# Altium PCB shepherd_pcb_v2.2.PcbDoc (part 3 of 3)
Units mm, origin at the board's own origin, x right, y up, seen from the top; angles counter-clockwise.
Board outline 75.18 x 54.61 mm, 4 copper layers (L1, L2P, L3, L4), stack 1.59 mm thick; 336 components, 223 nets, 1078 pads, 453 vias.
Unrouted connection lines stored in the file: 2.
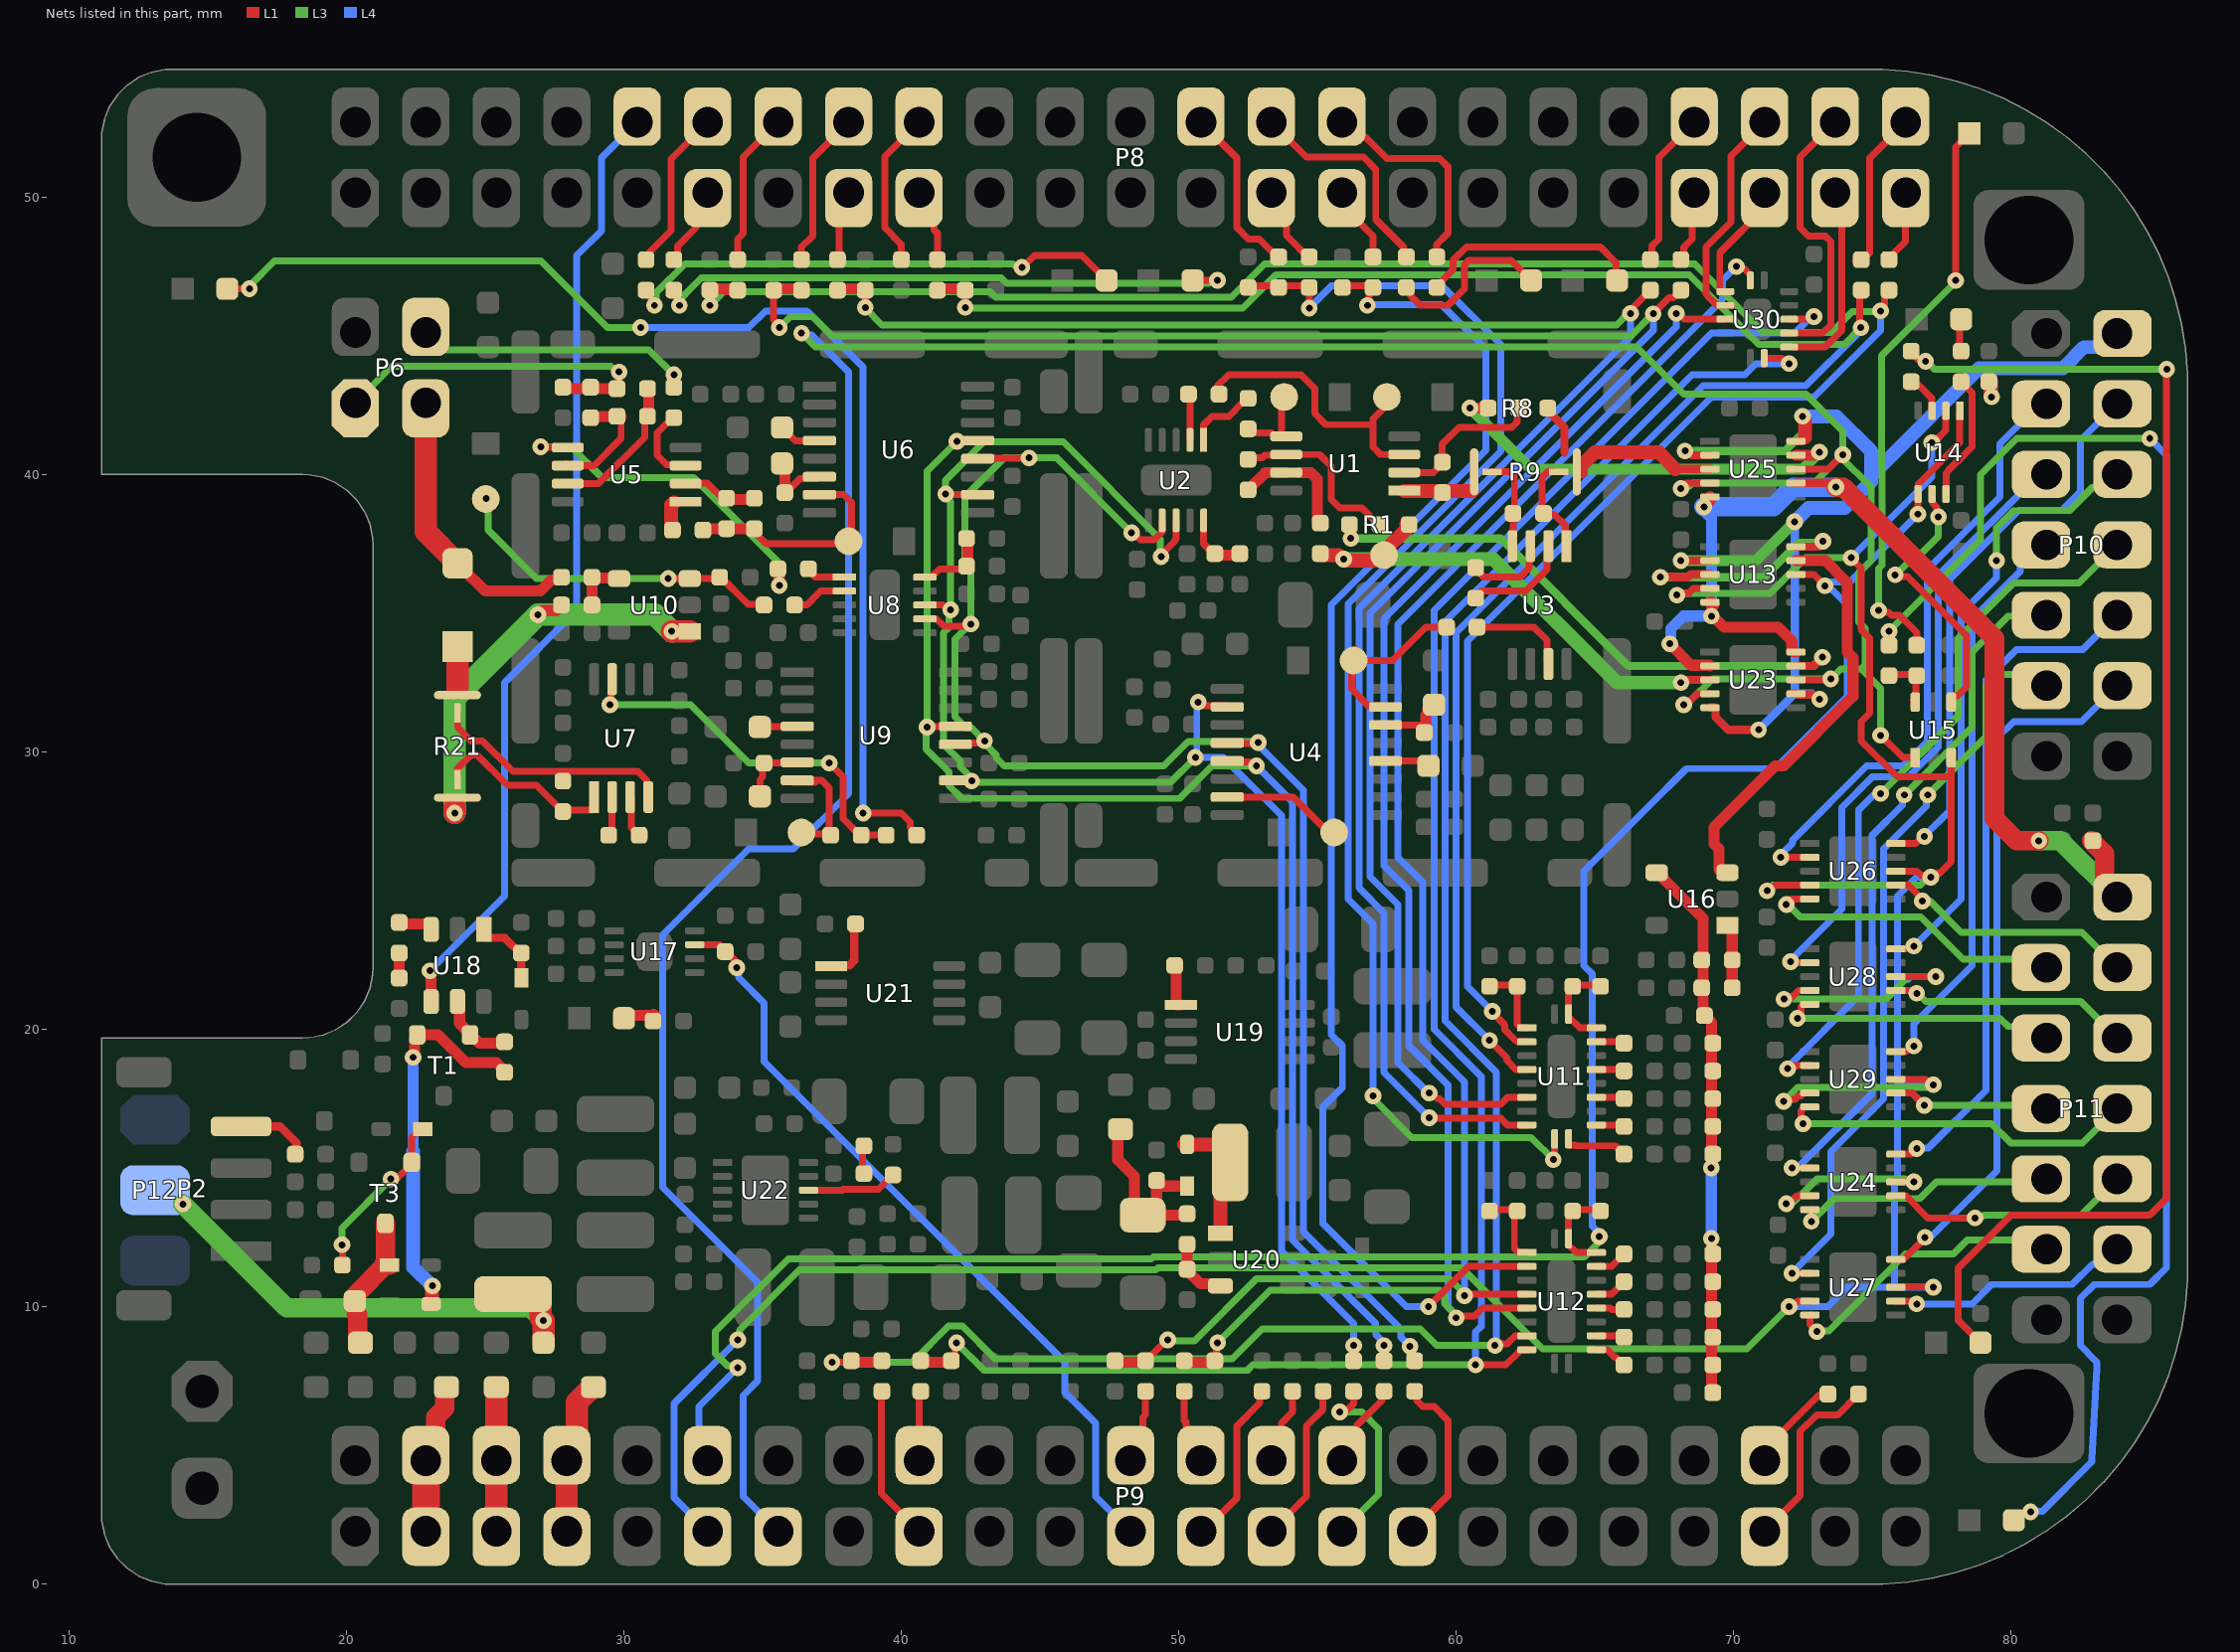
[diagram p5: the nets of this part, all layers, seen from the top]

## Via types
v1: diameter 0.6, hole 0.25, L1 to L4, 447 vias
v2: diameter 1.2, hole 0.5, L1 to L4, 4 vias
v3: diameter 1.1, hole 0.7, L1 to L4, 2 vias

## Nets (pads, with @x,y where several pads share a name; then routed paths per layer and width w, separated by ;. In a path a pad name is that pad's centre, name@x,y a point inside that pad or via, vN(x,y) a via of type N, cw(c..) or ccw(c..) an arc to the next point about the centre after c; other vN are vias at no path point) (continued)
MEM_WP: P9.23 R89.1 U17.7 | length 28.2
  L1 w0.25: U17.7@32.55,23.05 33.45,23.05 33.998,22.502 33.998,22.292 v1(34.065,22.225)
  L4 w0.25: v1(34.065,22.225) 34.132,22.159 34.132,21.868 35.058,20.942 35.058,18.842 45.9,8 45.9,6.9 47,5.8 47,3.165 P9.23@48.26,1.905
MISO: R74.1 U4.13 U6.13 U9.13 | length 51.4
  L1 w0.25: v1(40.925,30.9) 40.938,30.912 41.937,30.912 U9.13@41.95,30.925 ; v1(42,41.2) 42.012,41.212 42.737,41.212 U6.13@42.75,41.225 ; U4.13@51.75,29.675 51.786,29.639 52.566,29.639 52.705,29.5 v1(52.8,29.5) ; R74.1@57.4,7.9 v1(57.4,8.6)
  L3 w0.25: v1(42,41.2) 40.925,40.125 v1(40.925,30.9) 40.9,30.875 40.9,30.1 41.711,29.289 41.711,28.789 42.175,28.325 42.998,28.325 50.025,28.325 51.2,29.5 v1(52.8,29.5)
  L4 w0.25: v1(52.8,29.5) 54.1,28.2 54.1,12.4 57.1,9.4 57.1,8.995 57.4,8.695 v1(57.4,8.6)
MOSI: R75.2 U2.8 U4.10 U6.10 U8.8 U9.10 | length 62.6
  L1 w0.25: U8.8@40.85,35.3 41.507,35.3 41.683,35.123 v1(41.778,35.123) ; v1(41.6,39.3) 41.625,39.275 U6.10@42.75,39.275 ; U9.10@41.95,28.975 42.517,28.975 v1(42.536,28.957) ; v1(49.362,37.038) 49.362,37.113 49.869,37.62 49.869,37.662 49.9,37.693 U2.8@49.9,38.35 ; v1(50.7,31.8) 50.795,31.8 50.92,31.675 51.7,31.675 U4.10@51.75,31.625 ; R75.2@56.3,7.9 v1(56.3,8.6)
  L3 w0.25: v1@41.775,35.114 41.775,39.03 41.6,39.205 41.6,39.8 42.975,41.175 45.838,41.175 49.338,37.675 49.338,37.062 v1(49.362,37.038) ; v1(41.778,35.123) 41.711,35.056 41.711,34.488 41.525,34.302 41.525,30.275 42.124,29.676 42.124,29.463 42.536,29.051 v1(42.536,28.957) 42.592,28.9 49.7,28.9 v1(50.6,29.8)
  L4 w0.25: v1(50.7,31.8) 50.65,31.75 50.65,29.85 v1(50.6,29.8) 51.6,29.8 53.7,27.7 53.7,12 56.3,9.4 v1(56.3,8.6)
MP_FB_2: R104.1 R105.2 U20.3 | length 2.4
  L1 w0.25: U20.3@51.429,10.821 U20.3@51.5,10.75
  L1 w0.4: R104.1@50.3,12.3 50.3,11.3 50.779,10.821 U20.3@51.429,10.821
MP_SW_2: D11.2 L5.2 U20.1 | length 4.7
  L1 w0.25: L5.2@51.34,15.85 51.85,15.34 L5.2@51.85,15.2
  L1 w0.5: D11.2@50.2,15.85 L5.2@51.34,15.85 ; U20.1@51.5,12.65 51.5,13.6 51.5,14.85 L5.2@51.85,15.2
NetC3_1: C3.1 R9.1 U1.1 | length 3.3
  L1 w0.25: U1.1@58.125,39.425 U1.1@58.138,39.413 ; C3.1@59.488,39.413 C3.1@59.5,39.4 ; R9.1@60.6,40.023 60.65,40.023 R9.1@60.65,40.1
  L1 w0.3: R9.1@60.65,40.1 R9.1@60.65,40.8
  L1 w0.4: R9.1@60.577,39.4 R9.1@60.6,39.423
  L1 w0.5: U1.1@58.138,39.413 C3.1@59.488,39.413 ; C3.1@59.5,39.4 R9.1@60.577,39.4
NetC28_1: C28.1 R14.1 U5.2 | length 2.6
  L1 w0.25: U5.2@32.225,39.675 32.25,39.7 33,39.7 C28.1@33.6,39.1
  L1 w0.4: C28.1@33.6,39.1 R14.1@34.6,39.1
NetC29_1: C29.1 R19.1 U5.7 | length 5.3
  L1 w0.25: U5.7@27.975,39.675 29.075,39.675 30.75,41.35 30.75,41.975 30.875,42.1 C29.1@30.9,42.1
  L1 w0.4: C29.1@30.9,42.1 R19.1@30.9,43.1
NetC29_2: C29.2 R15.1 U5.6 | length 4.2
  L1 w0.25: U5.6@27.908,40.392 U5.6@27.975,40.325 28.925,40.325 29.9,41.3 C29.2@29.9,42.1
  L1 w0.4: R15.1@28.9,42.1 C29.2@29.9,42.1
NetC34_1: C34.1 R21.2 U10.1 | length 15.3
  L1 w0.4: v1(26.901,34.95) 26.955,34.95 27.105,35.1 27.55,35.1 C34.1@27.75,35.3
  L1 w0.8: v1(23.9,27.8) v1@23.9,28 ; v1(31.725,34.35) U10.1@32.375,34.35
  L3 w0.8: v1(23.9,27.8) 23.9,31.949 v1(26.901,34.95) 31.125,34.95 v1(31.725,34.35)
NetC34_2: C34.2 R20.1 U10.4 | length 2
  L1 w0.4: C34.2@28.85,35.3 R20.1@28.85,36.3 28.875,36.275 29.8,36.275 U10.4@29.825,36.25
NetC36_2: C36.2 R27.2 TP8.1 U10.3 | length 12.2
  L1 w0.25: v1(31.599,36.257) 31.606,36.25 U10.3@32.375,36.25 33.25,36.25 C36.2@33.4,36.4 ; C36.2@33.5,36.3 34.471,35.329 35.071,35.329 R27.2@35.1,35.3
  L3 w0.25: v1@25.121,39.121 25.1,39.1 25.1,38 26.843,36.257 v1(31.599,36.257)
  other v1: 25.042,39.142
NetC37_2: C37.2 C38.2 U8.10 | length 2.4
  L1 w0.25: U8.10@41.125,36.3 41.125,36.354 41.371,36.6 C37.2@42.4,36.6
  L1 w0.4: C37.2@42.4,36.6 C38.2@42.4,37.6
NetC62_2: C62.2 R31.1 U11.19 U11.20 | length 3.5
  L1 w0.25: U11.19@65,20.05 U11.19@65.075,20.05 ; U11.19@65.05,20.05 64.45,20.05 64.05,20.45 U11.20@64.05,20.55 64.05,21.45 64.2,21.6 C62.2@65.2,21.6
NetC65_2: C65.2 R54.1 U12.19 U12.20 | length 3.4
  L1 w0.25: U12.19@65,11.95 64.325,11.95 64.05,12.225 U12.20@64.05,12.45 64.05,13.35 64.2,13.5 C65.2@65.2,13.5
NetC73_1: C73.1 R58.1 U16.1 | length 2.3
  L1 w0.4: U16.1@69.85,23.75 69.95,23.65 R58.1@69.95,21.5
NetC76_2: C76.2 L3.1 P12.2 | length 17.4
  L1 w0.8: L3.1@26,10.45 26.75,10.45 27,10.2 27,9.6 v1(27.1,9.5) C76.2@27.1,8.7
  L3 w0.7: v1(14.1,13.7) 17.85,9.95 26.65,9.95 v1(27.1,9.5)
NetC79_2: C79.2 D9.1 U18.1 | length 2.7
  L1 w0.3: U18.1@24.95,23.6 24.95,23.425 25.075,23.3 25.7,23.3 26.3,22.7 D9.1@26.3,21.85 D9.1@26.275,21.875
NetC81_2: C81.2 C82.2 D11.1 L6.1 R104.2 | length 7.7
  L1 w0.4: L6.1@47.8,16.3 47.8,15.3 48.4,14.7 48.4,13.6 C82.2@48.7,13.3 C82.2@48.784,13.3 ; R104.2@50.3,13.3 C82.2@48.784,13.3 ; D11.1@50.35,14.3 D11.1@50.3,14.35 49.45,14.35 49.2,14.6 49.2,13.716 C82.2@48.784,13.3
NetC93_2: C93.2 U19.1 | length 1.6
  L1 w0.4: C93.2@49.9,22.3 49.9,20.9 49.925,20.875 U19.1@50.075,20.875
NetC96_2: C96.2 U21.1 | length 2.2
  L1 w0.3: U21.1@37.475,22.275 37.5,22.3 38.124,22.3 38.3,22.476 C96.2@38.3,23.8
NetC100_1: C100.1 D15.1 L14.2 T3.3 | length 5
  L1 w0.7: L14.2@20.5,8.7 20.45,8.7 20.4,8.75 20.4,9.7 20.35,9.75 20.35,10.15 C100.1@20.3,10.2 20.35,10.25 20.35,10.45 21.4,11.5 D15.1@21.55,11.5 ; D15.1@21.375,11.575 21.4,11.6 T3.3@21.4,13
NetD1_1: D1.1 R21.1 | length 1.5
  L1 w0.8: 24,32.3 D1.1@24,33.8
NetD2_2: D2.2 R25.1 | length 43.9
  L1 w0.25: D2.2@15.7,46.7 v1(16.5,46.7) ; v1(38.625,27.8) 40,27.8 40.321,27.479 40.321,27.271 40.375,27.218 40.375,27.025 R25.1@40.4,27
  L3 w0.25: v1@16.5,46.8 17.4,47.7 27,47.7 29.4,45.3 v1(30.6,45.3)
  L4 w0.25: v1(30.6,45.3) 34.5,45.3 35.1,45.9 36.6,45.9 38.625,43.875 v1@38.625,27.7
NetD3_2: D3.2 R56.2 | length 1.2
  L1 w0.25: R56.2@78.2,44.4 78.15,44.45 78.15,45.55 D3.2@78.2,45.6
NetD4_2: D4.2 R57.2 | length 50.9
  L1 w0.25: R57.2@76.4,44.4 76.652,44.148 76.852,44.148 v1(76.919,44.081) ; D4.2@78.9,8.7 78.1,9.5 78.1,11.4 80,13.3 85,13.3 85.6,13.9 85.6,43.784 v1(85.611,43.795)
  L3 w0.25: v1(76.919,44.081) 76.958,44.081 77.24,43.8 85.606,43.8 v1(85.611,43.795)
NetD5_2: D5.2 R91.1 | length 18.5
  L1 w0.25: R91.1@30.8,46.7 30.96,46.54 30.96,46.335 31.1,46.195 v1(31.1,46.1) ; v1(44.343,47.475) 44.375,47.475 44.8,47.9 46.5,47.9 D5.2@47.4,47
  L3 w0.25: v1(31.1,46.1) 31.167,46.167 31.167,46.567 32.2,47.6 44.021,47.6 44.08,47.542 44.276,47.542 v1(44.343,47.475)
NetD6_2: D6.2 R92.1 | length 6.2
  L1 w0.25: R92.1@58.3,46.7 58.36,46.64 58.36,46.44 58.7,46.1 59.7,46.1 60.3,46.7 60.3,47.571 60.446,47.717 61.983,47.717 D6.2@62.7,47
NetD7_2: D7.2 R93.1 | length 21.6
  L1 w0.25: R93.1@31.8,46.7 31.925,46.575 31.925,46.27 32,46.195 v1(32,46.1) ; D7.2@50.5,47 50.505,47.005 51.391,47.005 v1(51.396,47.009)
  L3 w0.25: v1(32,46.1) 32.067,46.167 32.067,46.367 32.421,46.721 32.8,47.1 43.6,47.1 43.8,46.9 51.084,46.9 51.126,46.942 51.329,46.942 v1(51.396,47.009)
NetD8_2: D8.2 R94.1 | length 8
  L1 w0.25: R94.1@59.4,46.9 59.894,47.394 59.894,47.731 60.364,48.2 65.2,48.2 65.771,47.629 65.771,47.029 D8.2@65.8,47
NetD10_2: D10.2 R98.1 T1.2 | length 13.9
  L1 w0.4: v1(22.4,18.989) 22.4,19.044 22.45,19.094 22.45,19.7 T1.2@22.55,19.8 23.3,19.8 24.3,18.8 25.4,18.8 25.7,18.5 R98.1@25.75,18.55
  L1 w0.5: D10.2@23.05,10.1 23.081,10.1 23.081,10.731 v1(23.1,10.75)
  L4 w0.4: 22.4,15.6 v1(22.4,18.989)
  L4 w0.5: 22.4,15.6 22.4,11.423 23.073,10.75 v1(23.1,10.75)
NetD13_2: D13.2 R106.1 | length 1.2
  L1 w0.4: D13.2@30,20.4 30.1,20.5 31.062,20.5 R106.1@31.081,20.519 ; R106.1@31.062,20.538 R106.1@31.081,20.519 ; R106.1@31.081,20.519 31.1,20.5 R106.1@31.081,20.519
NetD16_1: D16.1 R112.1 | length 20.8
  L1 w0.25: v1(75.225,35.1) 75.292,35.033 75.579,35.033 75.687,34.925 75.975,34.925 76.6,34.3 R112.1@76.6,33.8 ; v1(78,47) 78,51.8 D16.1@78.5,52.3
  L3 w0.25: v1(75.225,35.1) 75.225,36.61 75.352,36.736 75.352,40.354 75.325,40.381 75.325,44.283 78,46.958 v1(78,47)
NetD17_2: D17.2 R113.1 | length 57.7
  L1 w0.25: R113.1@75.6,33.8 v1(75.6,34.35) ; D17.2@80.1,2.3 80.329,2.529 80.534,2.529 80.605,2.6 v1(80.7,2.6)
  L3 w0.25: v1(75.6,34.35) 78.9,37.65 78.9,40 80.2,41.3 v1(85,41.3)
  L4 w0.25: v1(80.7,2.6) 80.725,2.625 81.13,2.625 82.844,4.339 82.912,4.407 82.917,4.502 83.1,7.793 83.1,8 83.027,8.073 82.5,8.6 82.5,10.3 83,10.8 85,10.8 85.6,11.4 85.6,35.8 85.6,40.7 v1(85,41.3)
NetL1_1: L1.1 P9.3 P9.4 | length 5.5
  L1 w0.7: P9.4@22.86,4.445 23.22,4.805 23.22,6.02 23.541,6.341 23.541,7.05 23.591,7.1 L1.1@23.6,7.1
  L1 w1: P9.3@22.86,1.905 P9.4@22.86,4.445
NetL2_2: L2.2 P9.5 P9.6 | length 5.2
  L1 w0.8: P9.5@25.4,1.905 L2.2@25.4,7.1
NetL4_1: L4.1 P9.7 P9.8 | length 5.5
  L1 w0.8: P9.7@27.94,1.905 P9.8@27.94,4.445 28.3,4.805 28.3,6.55 28.75,7 L4.1@28.8,7
NetP2_4: P2.4 R100.2 | length 2.6
  L1 w0.3: P2.4@16.2,16.5 17.6,16.5 18.2,15.9 R100.2@18.2,15.5
NetP8_14: P8.14 R59.1 | length 5.6
  L1 w0.25: R59.1@34.1,47.7 34.1,48.5 34.3,48.7 34.3,51.445 P8.14@35.56,52.705
NetP8_15: P8.15 R60.2 | length 2.6
  L1 w0.25: R60.2@37.7,47.7 37.75,47.75 37.75,49.815 P8.15@38.1,50.165
NetP8_16: P8.16 R61.1 | length 5.7
  L1 w0.25: R61.1@36.4,47.7 36.4,48.2 36.8,48.6 36.8,51.405 P8.16@38.1,52.705
NetP8_17: P8.17 R62.2 | length 2.7
  L1 w0.25: P8.17@40.64,50.165 41.18,49.625 41.18,48.82 41.3,48.7 R62.2@41.3,47.7
NetP8_18: P8.18 R63.1 | length 5.8
  L1 w0.25: R63.1@40,47.7 40,48.3 39.4,48.9 39.4,51.465 P8.18@40.64,52.705
NetP8_26: P8.26 R67.1 | length 6.3
  L1 w0.25: P8.26@50.8,52.705 52.1,51.405 52.1,48.9 52.5,48.5 52.9,48.5 R67.1@53.6,47.8
NetP8_27: P8.27 R69.2 | length 3
  L1 w0.25: P8.27@53.3,50.125 P8.27@53.34,50.165 53.88,49.625 53.88,48.62 R69.2@54.7,47.8
NetP8_29: P8.29 R72.1 | length 2.8
  L1 w0.25: P8.29@55.88,50.165 55.88,49.72 57,48.6 R72.1@57,47.8
NetP8_39: P8.39 R77.2 | length 2.6
  L1 w0.25: R77.2@68.1,47.75 68.196,47.846 68.196,48.196 68.5,48.5 68.5,50.085 P8.39@68.58,50.165
NetP8_40: P8.40 R78.2 | length 5.6
  L1 w0.25: R78.2@67,47.75 67.046,47.796 67.046,48.246 67.3,48.5 67.3,51.425 P8.40@68.58,52.705
NetP8_45: P8.45 R85.2 | length 2.8
  L1 w0.25: R85.2@75.5,47.7 76.2,48.4 P8.45@76.2,50.165
NetP8_46: P8.46 R86.2 | length 5.9
  L1 w0.25: R86.2@74.4,47.7 74.6,47.7 74.9,48 74.9,51.405 P8.46@76.2,52.705
NetP9_17: P9.17 R64.2 | length 5.7
  L1 w0.25: R64.2@39.3,7 39.275,6.975 39.275,3.27 P9.17@40.64,1.905
NetP9_18: P9.18 R65.1 | length 2.6
  L1 w0.25: P9.18@40.64,4.445 40.64,6.94 R65.1@40.7,7
NetP9_24: P9.24 R66.1 | length 2.7
  L1 w0.25: P9.24@48.26,4.445 48.7,4.885 48.7,6 48.8,6.1 R66.1@48.8,6.9
NetP9_25: P9.25 R70.1 | length 6.7
  L1 w0.25: P9.25@50.8,1.905 50.905,1.905 52.1,3.1 52.1,5.7 52.921,6.521 52.921,6.821 R70.1@53,6.9
  L4 w0.25: P9.25@50.26,2.445 P9.25@50.8,1.905
NetP9_26: P9.26 R68.1 | length 2.7
  L1 w0.25: R68.1@50.2,6.9 50.2,5.9 50.26,5.84 50.26,4.985 P9.26@50.8,4.445
NetP9_27: P9.27 R73.1 | length 5.8
  L1 w0.25: P9.27@53.34,1.905 54.6,3.165 54.6,5.7 55.2,6.3 R73.1@55.2,6.9
NetP9_28: P9.28 R71.1 | length 3
  L1 w0.25: P9.28@53.34,4.445 53.7,4.805 53.7,5.8 54.1,6.2 R71.1@54.1,6.9
  L4 w0.25: P9.28@53.2,4.585 P9.28@53.34,4.445
NetP9_29: P9.29 R75.1 | length 6.9
  L1 w0.25: v1(55.8,6.2) 56,6.2 56.3,6.5 R75.1@56.3,6.9
  L3 w0.25: v1(55.8,6.2) 56.6,6.2 57.2,5.6 57.2,3.225 P9.29@55.88,1.905
NetP9_30: P9.30 R74.2 | length 3.2
  L1 w0.25: P9.30@55.88,4.445 56.42,4.985 56.42,5.72 57.321,6.621 57.321,6.921 R74.2@57.4,7
NetP9_31: P9.31 R76.1 | length 6.4
  L1 w0.25: P9.31@58.42,1.905 59.7,3.185 59.7,5.9 59.2,6.4 58.8,6.4 58.579,6.621 58.579,6.921 R76.1@58.5,7
NetP9_41: P9.41 R84.1 | length 6.8
  L1 w0.25: P9.41@71.12,1.905 72.4,3.185 72.4,5.5 73,6.1 73.75,6.1 R84.1@74.5,6.85
NetP9_42: P9.42 R81.1 | length 3.3
  L1 w0.25: P9.42@71.12,4.445 71.12,4.856 73.064,6.8 73.1,6.8 R81.1@73.2,6.9
NetR3_1: R3.1 U2.1 | length 2.4
  L1 w0.25: U2.1@50.9,41.25 50.9,41.8 51.2,42.1 51.8,42.1 52.29,42.59 52.327,42.59 52.341,42.604 R3.1@52.341,42.641
NetR5_1: R5.1 U2.2 | length 1.6
  L1 w0.25: U2.2@50.4,41.25 R5.1@50.4,42.8
NetR12_1: R12.1 U3.3 | length 2.9
  L1 w0.25: R12.1@60.676,36.624 61,36.3 62.3,36.3 62.625,36.625 62.625,37.192 U3.3@62.7,37.267
NetR12_2: R12.2 U3.2 | length 4
  L1 w0.25: R12.2@60.62,35.52 60.9,35.8 62.5,35.8 63.275,36.575 63.275,37.429 U3.2@63.3,37.454
NetR16_1: R16.1 U5.1 | length 1.1
  L1 w0.5: R16.1@31.8,38 31.7,38.1 31.7,38.9 U5.1@31.8,39
NetR18_2: R18.2 U5.3 | length 2.8
  L1 w0.25: R18.2@31.8,42.1 31.2,41.5 31.2,40.7 31.535,40.365 32.185,40.365 U5.3@32.225,40.325
NetR22_1: R22.1 R25.2 U7.7 | length 13.9
  L1 w0.25: v1(29.5,31.7) 29.537,31.738 29.537,32.587 U7.7@29.575,32.625 29.575,32.525 U7.7@29.6,32.5 ; v1(37.4,29.6) 37.9,29.1 37.9,27.6 38.5,27 R25.2@39.5,27
  L3 w0.25: v1(29.5,31.7) 32.4,31.7 34.5,29.6 v1(37.4,29.6)
NetR24_2: R24.2 U5.5 | length 12.7
  L1 w0.25: v1(27,41) 27.012,40.988 27.963,40.988 U5.5@27.975,40.975
  L1 w0.4: v1(35.6,36) R24.2@35.6,36.6
  L3 w0.25: v1(27,41) 28.1,41 29.2,39.9 32.5,39.9 35.6,36.8 v1(35.6,36)
NetR29_1: R29.1 U7.3 | length 1.5
  L1 w0.25: U7.3@30.225,28.375 30.275,28.325 30.275,27.271 30.375,27.171 30.375,27.125 R29.1@30.5,27
NetR29_2: R29.2 U7.2 | length 1.4
  L1 w0.25: R29.2@29.5,27 29.575,27.075 U7.2@29.575,28.375
NetR30_1: R30.1 R35.1 U11.2 | length 2.8
  L1 w0.25: R35.1@61.2,21.6 62.2,21.6 62.2,20.175 62.325,20.05 U11.2@62.55,20.05
NetR53_1: R53.1 R55.1 U12.2 | length 3
  L1 w0.25: R55.1@61.2,13.5 62.2,13.5 62.1,13.4 62.1,12.096 62.246,11.95 U12.2@62.55,11.95
NetR56_1: R56.1 U14.7 | length 4.7
  L1 w0.25: U14.7@77.65,39.3 77.66,39.31 77.66,40.06 77.725,40.125 77.725,40.138 78.062,40.475 78.075,40.475 78.6,41 78.6,42.95 78.325,43.225 78.325,43.275 R56.1@78.2,43.4
NetR57_1: R57.1 U14.3 | length 1.4
  L1 w0.25: R57.1@76.5,43.4 76.5,43.3 76.525,43.275 76.625,43.275 77.15,42.75 U14.3@77.15,42.3
NetR99_1: R99.1 U18.3 | length 1.1
  L1 w0.25: U18.3@22.877,23.8 23.05,23.627 U18.3@23.05,23.6
  L1 w0.4: R99.1@22,23.8 U18.3@22.877,23.8
NetR99_2: R99.2 R101.2 | length 1
  L1 w0.4: R101.2@21.9,21.8 R99.2@21.9,22.8
NetR109_1: R109.1 U22.8 | length 3
  L1 w0.25: U22.8@36.862,14.2 37.883,14.2 37.908,14.225 39.175,14.225 39.625,14.675 R109.1@39.675,14.675
NetR110_2: R110.2 R111.1 | length 1
  L1 w0.25: R110.2@38.6,14.8 R111.1@38.6,15.8
NetR112_2: R112.2 R113.2 U15.6 | length 2.2
  L1 w0.25: R113.2@75.6,32.8 76.6,32.8 76.573,32.773 76.573,31.825 U15.6@76.546,31.797 U15.6@76.481,31.862 ; U15.6@76.5,31.7 76.55,31.75 U15.6@76.55,31.8
NetTP5_1: TP5.1 U4.15 | length 4.5
  L1 w0.25: U4.15@51.75,28.375 54.125,28.375 55.5,27 55.6,27 TP5.1@55.6,26.9
NetU13_3: U13.3 U13.10 | length 9.3
  L1 w0.3: v1(67.362,36.3) 67.377,36.314 67.837,36.314 67.851,36.3 68.349,36.3 68.449,36.4 U13.3@69.15,36.4 ; U13.10@72.25,37.4 73.078,37.4 73.078,37.41 73.215,37.547 v1(73.215,37.6)
  L3 w0.3: v1@67.4,36.4 67.5,36.3 71.1,36.3 72.343,37.543 73.157,37.543 v1(73.215,37.6)
NetU14_6: U14.6 U15.4 | length 9.6
  L1 w0.25: v1(75.825,36.384) 75.876,36.333 76.267,36.333 77.4,35.2 78.4,34.2 78.4,32.352 78.071,32.022 77.896,32.022 77.846,31.972 U15.4@77.846,31.797 ; U14.6@77.15,39.3 U14.6@77.16,39.31 ; U14.6@77.178,38.978 77.237,38.919 77.237,38.903 77.317,38.824 77.317,38.543 v1(77.384,38.476)
  L3 w0.25: v1(75.825,36.384) 76.311,36.87 76.47,36.87 77.384,37.784 v1(77.384,38.476)
PRU0_DbgLed0: P8.12 R91.2 | length 5.9
  L1 w0.25: R91.2@30.8,47.7 30.925,47.825 30.925,48.025 31.7,48.8 31.7,51.385 P8.12@33.02,52.705
PRU0_DbgLed1: P8.11 R93.2 | length 3
  L1 w0.25: R93.2@31.8,47.7 31.925,47.825 31.925,48.225 32.6,48.9 32.6,49.745 P8.11@33.02,50.165
PRU1_DbgLed0: P8.28 R92.2 | length 8.2
  L1 w0.25: P8.28@53.34,52.705 53.395,52.705 53.6,52.5 53.6,52.445 54.6,51.445 56.655,51.445 57.1,51 57.1,49.2 58.121,48.179 58.121,47.879 R92.2@58.2,47.8
PRU1_DbgLed1: P8.30 R94.2 | length 8
  L1 w0.25: P8.30@55.88,52.705 56.42,52.165 56.735,52.165 57.5,51.4 59.4,51.4 59.7,51.1 59.7,48.7 59.3,48.3 R94.2@59.3,47.8
PRU_BAT_OK: R51.1 R72.2 U12.3 | length 50.4
  L1 w0.25: R51.1@55.9,46.8 57,46.8 57.017,46.783 56.867,46.633 56.867,46.167 v1(56.8,46.1) ; v1(59,10) 60.45,11.45 U12.3@62.6,11.45
  L4 w0.25: v1(56.8,46.1) 56.833,46.133 59.467,46.133 61.075,44.525 61.075,40.875 55.5,35.3 55.5,19.8 55.9,19.4 55.9,17.9 55.2,17.2 55.2,13 58.2,10 v1(59,10)
PRU_SWD_CLK_3: P8.43 U30.9 | length 7.1
  L1 w0.25: U30.9@72.136,44.6 73.3,44.6 73.9,45.2 73.9,49.925 P8.43@73.66,50.165
PRU_SWD_IO_3: P8.44 U30.10 | length 10.3
  L1 w0.25: U30.10@72,45.1 73.2,45.1 73.5,45.4 73.5,48.4 73.3,48.6 72.7,48.6 72.4,48.9 72.4,51.445 P8.44@73.66,52.705
PRU_UARX_3: P8.42 U30.3 | length 8.2
  L1 w0.25: U30.3@69.93,46.1 69.398,46.1 69.1,46.398 69.1,46.4 69,46.5 69,48.2 69.9,49.1 69.9,51.485 P8.42@71.12,52.705
PRU_UATX_3: P8.41 U30.2 | length 4.4
  L1 w0.25: U30.2@69.7,46.6 69.5,46.6 69.5,48 71.12,49.62 P8.41@71.12,50.165
REFCAP_eADC_5: C7.2 C8.2 U4.6 | length 2.6
  L1 w0.25: U4.6@57.45,30.975 58.725,30.975 C7.2@58.9,30.8 ; 58.9,31.3 58.9,31.6 C8.2@59.1,31.8
  L1 w0.4: C7.2@58.9,30.8 58.9,30.975 58.9,31.3
REFCAP_rADC1_4: C31.2 C32.2 U6.6 | length 2.7
  L1 w0.25: C32.2@35.6,40.4 35.8,40.2 C32.2@35.8,40 ; C31.2@35.8,39.3 36.35,39.85 36.975,39.85 U6.6@37.05,39.925
  L1 w0.4: C31.2@35.8,39.3 35.8,40
REFCAP_rADC2_4: C39.2 C40.2 U9.6 | length 2.4
  L1 w0.25: C40.2@34.8,28.5 34.901,28.601 34.901,29.001 35,29.1 35,29.6 35.012,29.612 36.238,29.612 U9.6@36.25,29.625
REFIO_eADC_5: C9.2 U4.4 | length 1.8
  L1 w0.25: U4.4@57.45,29.675 58.784,29.675 59.059,29.4 C9.2@59.1,29.4
REFIO_rADC1_4: C33.2 U6.4 | length 1.6
  L1 w0.25: C33.2@35.7,41.7 36.175,41.225 U6.4@37.05,41.225 U6.4@37.038,41.213
REFIO_rADC2_4: C41.2 U9.4 | length 1.5
  L1 w0.25: C41.2@34.8,30.9 34.812,30.913 36.238,30.913 U9.4@36.25,30.925
RevPolSW_2: D14.1 R107.1 T3.1 | length 6.3
  L1 w0.25: v1(19.834,12.23) 19.85,12.214 R107.1@19.85,11.5 ; v1(21.6,14.6) 21.667,14.667 21.867,14.667 22.35,15.15 22.35,16.1 22.65,16.4 D14.1@22.75,16.4 D14.1@22.725,16.425
  L3 w0.25: v1(19.834,12.23) 19.834,12.834 v1(21.6,14.6)
SA_GPIO0: R32.1 R59.2 R85.1 U11.3 | length 83.1
  L1 w0.25: v1(33.1,46.1) R32.1@33.1,46.7 ; v1(61.3,20.65) 61.3,20.613 61.759,20.154 61.759,19.977 62.086,19.65 62.094,19.65 62.194,19.55 U11.3@62.55,19.55 ; v1(75.3,45.9) 75.3,45.995 75.44,46.135 75.44,46.54 R85.1@75.6,46.7
  L1 w0.4: R32.1@33.1,46.7 R59.2@34.1,46.7 ; 33.662,46.662 34.05,46.662 R59.2@34.05,46.7
  L3 w0.25: v1(33.1,46.1) 33.6,46.6 43.2,46.6 43.4,46.4 51.9,46.4 53.1,47.6 68.6,47.6 71.075,45.125 73.525,45.125 74.273,45.873 75.273,45.873 v1(75.3,45.9)
  L4 w0.25: v1(61.3,20.65) 60.4,21.55 60.4,34 69.2,42.8 72.9,42.8 75.3,45.2 v1(75.3,45.9)
SA_GPIO1: R34.1 R62.1 R86.1 U11.5 | length 73.5
  L1 w0.25: v1(42.3,46.025) R34.1@42.3,46.65 R34.1@42.3,46.7 ; v1(61.2,19.6) 61.816,18.984 61.816,18.884 62.15,18.55 U11.5@62.55,18.55 U11.5@62.6,18.55 ; R86.1@74.5,46.65 74.6,46.55 74.542,46.492 74.542,45.34 v1(74.585,45.298)
  L1 w0.4: R62.1@41.3,46.7 R34.1@42.3,46.7
  L3 w0.25: v1(42.3,46.025) 42.325,46 52.3,46 53.5,47.2 68.4,47.2 70.9,44.7 73.987,44.7 v1(74.585,45.298)
  L4 w0.25: v1(61.2,19.6) 60,20.8 60,34.3 68.9,43.2 72.6,43.2 74.423,45.023 74.423,45.041 74.585,45.203 v1(74.585,45.298)